# Allegro board T736_DEMO_DBOARD_V0-5-draft.brd (continued)
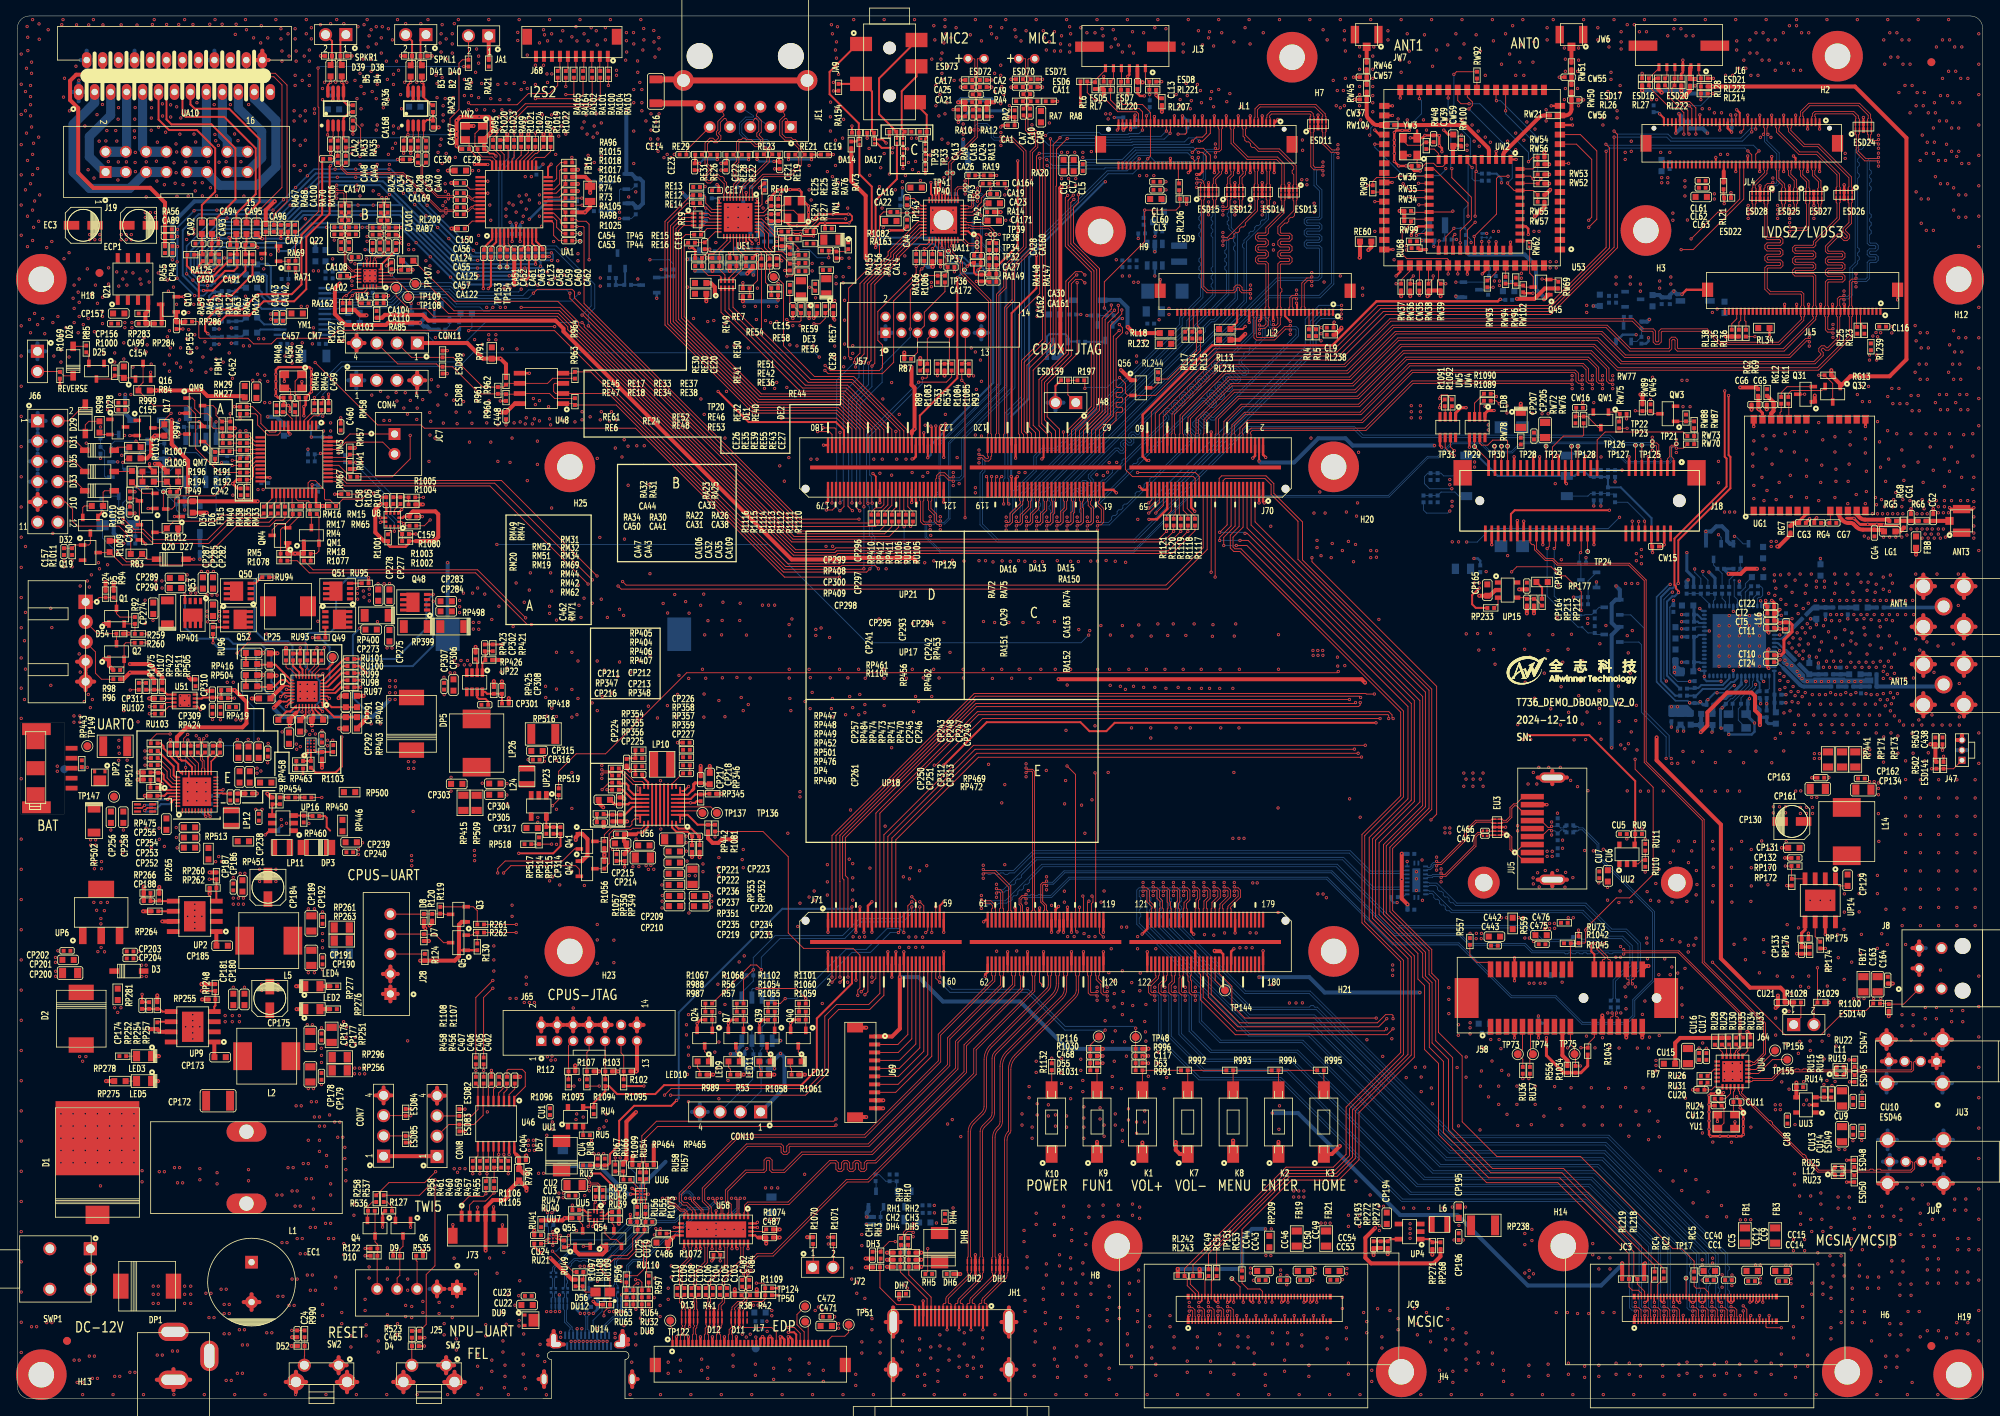
[diagram p0: board, top side]
## Routing (per net, layer and track width the routed paths; a pad name or vN(x,y) marks a point on that pad's centre or on a via; arc(x,y) is an arc through that point) (continued)
AUDIO-PWR-EN: length 262.7
  TOP w0.114: v1(71.63,142.75) 71.63,147.19 71.25,147.57 70.23,147.57 70,147.8 RA98.1 ; RP286.2 22.62,135 22.73,134.89 22.73,133.02 22.85,132.91 28.89,132.91 29.59,132.21 31.81,132.21 32.51,132.91 39.15,132.91 40.16,133.91 54.94,133.91 55.4,134.37 v1(67.31,134.37) ; J70.27 v1(149.55,103.58)
  L3 w0.114: v1(210.13,103.99) 209.73,103.58 197.81,103.58 197.57,103.35 190.52,103.35 189.87,102.69 183.79,102.69 183.39,103.09 170.51,103.09 170.02,103.58 v1(149.55,103.58) 149.38,103.4 v1(79.25,103.4) ; v1(79.25,142.75) v1(71.63,142.75)
  L4 w0.114: v1(79.25,142.75) 79.53,142.46 79.53,110.62 79.25,110.34 v1(79.25,103.4) ; v1(67.31,134.37) 69.6,134.37 69.85,134.62 69.85,136.14 71.12,137.41 71.12,140.46 71.63,140.97 v1(71.63,142.75)
  BOTTOM w0.114: v1(210.13,103.99) 210.13,103.56 210.89,102.8 RT17.2 ; R81.1 82.17,142.24 81.66,142.75 v1(79.25,142.75)
AUTH-INT: length 270.9
  TOP w0.114: v1(105.28,50.55) 105.28,51.21 105.55,51.48 J71.18 105.55,55.58 104.69,56.44 98.5,56.44 96.57,58.37 96.57,67.92 93.4,71.09 R1081.1 v1(87.4,70.4) ; R1096.1 v1(69.72,39.17) ; R1075.1 14.18,88.86 v1(14.14,88.81) ; J73.3 v1(57.66,24)
  L3 w0.114: v1(82.42,115.37) 80.94,113.88 74.11,113.88 73.63,113.4 67.81,113.4 62.73,118.48 48.75,118.48 47.69,119.55 43.32,119.55 39.85,123.01 38.38,123.01 v1(38.25,123.14) 36.45,121.34 31.87,121.34 31.47,120.94 29.02,120.94 v1(28.63,121.34) 28.16,120.87 27.73,120.87 27.39,121.21 26.24,121.21 25.63,121.82 19.71,121.82 19.6,121.71 14.42,121.71 v1(13.44,120.73) ; v1(58.88,35.94) 58.93,35.99 60.83,35.99 64.02,39.17 v1(69.72,39.17) 70.61,39.17 71.28,38.51 99.52,38.51 104.29,43.28 104.29,48.77 105.36,49.83 105.36,50.47 v1(105.28,50.55)
  L4 w0.114: v1(58.88,35.94) 58.42,35.48 58.42,27.48 57.66,26.72 v1(57.66,24) ; v1(14.14,88.81) 11.93,91.01 11.93,93.04 10.38,94.59 10.38,102.48 12.92,105.02 12.92,108.35 13.62,109.05 13.62,118.28 13.44,118.47 v1(13.44,120.73) ; v1(82.42,115.37) 87.4,110.39 v1(87.4,70.4)
  BOTTOM w0.114: R1098.1 37.21,123.52 37.59,123.14 v1(38.25,123.14) ; v1(28.63,121.34) 28.94,121.03 R158.1
AUX-IN-DSP-L: length 2.1
  TOP w0.254: CA61.2 60.5,144.03 60.49,144.7 60.49,145.13 60.49,146.09 UA1.3
AUX-IN-DSP-R: length 2.2
  TOP w0.254: CA63.2 60.99,144.36 60.99,144.75 60.99,145.28 60.99,146.09 UA1.4
AVD33BAK: length 3.4
  TOP w0.508: UG1.22 219.72,123.5 220.01,123.79 CG5.2 220.01,124.88 RG9.2
AVD33DC: length 22
  TOP w0.381: RG4.2 225.11,110.1 v1(225.41,110.4) ; v1(218.17,123.99) 218.62,123.54 UG1.23
  TOP w0.508: v1(218.17,123.99) 218.1,124.06 CG6.2 218.1,125.64 RG2.2
  L4 w0.508: v1(225.41,110.4) 225.41,111.95 225.04,112.31 225.04,119 223.23,120.82 223.23,121.45 221.48,123.19 218.97,123.19 v1(218.17,123.99)
AVDUSB: length 3.1
  TOP w0.381: UG1.7 224.12,110.89 223.21,109.97 CG3.2
  TOP w0.508: RG7.2 222.5,109.76 CG3.2
AXP515-IRQ: length 2.5
  TOP w0.114: UP18.29 v1(21.08,79.11)
  BOTTOM w0.114: v1(21.08,79.11) 21.08,80.78 RP455.1
AXP515-PWROK: length 4.5
  TOP w0.254: UP18.31 19.84,77.87 19.58,78.13 19.58,79.24 17.64,81.18 RP448.1
AXP515-PWRON: length 5.5
  TOP w0.254: UP18.30 20.46,78.46 20.15,78.77 20.15,79.54 19.16,80.53 CP257.2 18.85,80.98 18.31,81.52 18.31,81.79 17.96,82.14 RP447.1
AXP515-SCK: length 4.2
  TOP w0.114: UP18.32 19.68,77.47 19.17,77.98 19.17,78.83 17.71,80.29 RP449.1
AXP515-SDA: length 4
  TOP w0.114: UP18.33 19.5,77.07 18.76,77.81 18.76,78.63 17.98,79.4 RP452.1
AXP519-IRQ: length 2.1
  TOP w0.114: UP21.13 36.12,91.38 36.32,91.58 RU106.1
AXP519-SCK: length 2.3
  TOP w0.114: UP21.12 36.52,91.13 37.21,91.82 RU104.1
AXP519-SDA: length 2.5
  TOP w0.114: UP21.11 36.92,91.04 37.72,91.83 37.72,92.16 RU105.1
AXP2601-IRQ: length 0.9
  TOP w0.114: RU107.2 R1075.2
AXP2601-SCL: length 1.7
  TOP w0.114: RU102.1 18.59,87.25 U51.7
AXP2601-SDA: length 1.9
  TOP w0.114: RU103.1 18.98,86.75 U51.8
B1: length 20.7
  BOTTOM w0.114: CON10.3 92.11,40.02 ESD87.2 92.12,41.36 R453.1 92.21,42.36 R452.2 92.21,43.65 92.02,43.84 U47.7 92.02,46.61 89.56,49.07 89.56,51.27 R449.1
B2: length 27.8
  TOP w0.114: CON11.3 47.65,129.69 52.5,129.69 52.87,129.33 ESD88.2 54.52,129.33 57.9,125.94 R961.2 61.17,125.94 R960.1 62.88,125.9 U48.7 66.67,125.98 67.31,125.35 69.81,125.35 R963.1
BATDRV: length 23.9
  TOP w0.203: v1(33.63,87.97) 33.71,88.05 UP21.22
  TOP w0.254: Q53.4 v1(21,100.74)
  BOTTOM w0.254: v1(33.63,87.97) 33.63,88.04 31.83,89.84 31.83,93.27 30.48,94.61 27.05,94.61 26.42,95.25 22.43,95.25 21,96.68 v1(21,100.74)
BATT-12V: length 20.1
  BOTTOM w0.508: J66.1 3.52,131.28 ; J66.1 2.52,130.27 ; J66.1 2.52,132.28 ; J66.1 1.51,131.28 ; 2.54,119.01 J10.3 ; J10.3 1.54,120.02 ; J10.3 2.54,121.02 ; J10.3 3.54,120.02 ; 2.54,121.55 2.54,122.56 ; 2.54,122.56 2.54,123.56 ; 2.54,122.56 3.54,122.56 ; 2.54,122.56 1.54,122.56 ; 1.54,114.94 J10.7 ; J10.7 2.54,113.93 ; J10.7 2.54,115.94 ; J10.7 3.54,114.94 ; 2.54,116.47 J10.5 ; J10.5 2.54,118.48 ; J10.5 1.54,117.47 ; J10.5 3.54,117.47
  vias: v1(17.02,14.1) v1(17.02,13.08) v1(17.02,11.94) v1(17.65,14.1) v1(17.65,13.08) v1(17.65,11.94) v1(20.95,14.1) v1(20.95,13.08) v1(20.95,11.94) v1(21.72,14.1) v1(21.72,13.08) v1(21.72,11.94)
BICK2: length 2.6
  TOP w0.114: R1021.2 63.12,156.24 63.11,155.86 62.48,155.24 62.48,155 UA1.30
BICK3: length 2.7
  TOP w0.114: R1024.2 64.01,156.52 64,156.18 62.99,155.2 62.99,154.6 UA1.29
BOOST-5V-EN: length 1.2
  TOP w0.254: RP463.2 R1103.2
BOOST-5V-EN-1: length 1.1
  TOP w0.254: RP463.1 33.95,75.35 RP454.2
BRAKE-DET: length 13.9
  TOP w0.114: R83.2 14.2,107.9 12.74,109.36 7.52,109.36 6.92,109.96 6.92,111.49 6.02,112.39 J10.10
BSSET: length 2.1
  TOP w0.254: RP411.2 35.43,91.7 35.72,91.41 UP21.14
BST1: length 2.1
  TOP w0.203: UP21.31 37.32,86.35 37.67,86
  TOP w0.254: 37.67,86 38.3,85.37 CP294.2
BST2: length 2.9
  TOP w0.203: 34.57,86.51 34.81,86.76 UP21.25
  TOP w0.254: 34.57,86.51 34.19,86.13 33.73,86.13 CP295.2
BT-EN: length 8.9
  TOP w0.114: RW62.2 189.46,144.33 189.46,141.07 189.91,140.62 Q45.3 188.84,139.32 RW102.2 187.85,139.51 RW96.1 187.6,139.76 RW94.1
BT-PCM-CLK: length 97.7
  TOP w0.114: J70.84 130.55,121.52 129.01,123.06 129.01,127.18 132.77,130.94 v1(132.77,139.88) ; v1(179.71,154.18) 179.71,153.03 182.15,150.59 182.15,147.78 180.75,146.38 v1(180.75,144.88) UW2.26 ; U53.27 v1(179.24,163.02)
  L3 w0.114: v1(180.75,144.88) 180.75,144.88 179.61,144.88 177.43,147.06 169.18,147.06 167.5,145.38 163.59,145.38 161.91,147.06 156.3,147.06 150.81,141.57 137.27,141.57 136.04,140.34 133.22,140.34 v1(132.77,139.88)
  BOTTOM w0.114: v1(179.71,154.18) 179.58,154.31 179.58,161.04 179.24,161.37 v1(179.24,163.02)
BT-PCM-DIN: length 111.2
  TOP w0.114: U53.13 195.81,158.43 197.87,156.38 197.87,147.83 v1(196.85,146.81) ; v1(180.09,145.92) 179.85,145.69 UW2.25 ; v1(133.73,140.84) 133.32,141.26 132.54,141.26 131.35,140.06 131.35,131.09 127.98,127.73 127.98,121.93 129.05,120.86 J70.90
  L3 w0.114: v1(133.73,140.84) 134.83,141.95 150.65,141.95 156.11,147.4 162.05,147.4 163.73,145.72 167.36,145.72 169.04,147.4 177.84,147.4 179.32,145.92 v1(180.09,145.92) 180.97,146.81 185.29,146.81 185.32,146.84 185.77,146.84 185.8,146.81 v1(196.85,146.81)
BT-PCM-DOUT: length 108.8
  TOP w0.114: U53.12 195.32,157.23 197.23,155.32 197.23,148.08 v1(196.85,147.7) ; UW2.27 181.65,146.47 v1(182.63,147.45) ; J70.88 129.55,120.97 128.33,122.19 128.33,127.59 131.69,130.95 131.69,139.87 132.66,140.84 v1(132.72,140.84)
  L3 w0.114: v1(132.72,140.84) 134.17,142.3 150.51,142.3 155.95,147.75 162.19,147.75 163.88,146.06 167.21,146.06 168.9,147.75 179.2,147.75 179.5,147.45 v1(182.63,147.45) 196.6,147.45 v1(196.85,147.7)
BT-PCM-SYNC: length 98.7
  TOP w0.114: v1(186.74,153.21) 185.57,153.21 185.29,152.93 185.29,148.46 v1(182.5,145.67) 182.55,145.62 UW2.28 ; U53.10 v1(194.34,154.83) ; J70.86 130.05,121.31 128.67,122.69 128.67,127.37 132.04,130.73 132.04,139.73 132.59,140.29 133.29,140.29 v1(133.73,139.85)
  L3 w0.114: v1(186.74,153.21) 188.14,153.21 189.13,154.2 193.7,154.2 v1(194.34,154.83) ; v1(182.5,145.67) 182.25,145.67 181.04,144.47 179.51,144.47 177.26,146.72 169.32,146.72 167.64,145.03 163.45,145.03 163.14,145.34 155.07,145.34 150.95,141.22 137.41,141.22 136.04,139.85 v1(133.73,139.85)
BT-RESETN: length 148.9
  TOP w0.114: v1(191.01,140.34) 191.07,140.27 Q45.2 192.77,140.27 RW69.1 ; v1(170,88.31) 168.99,88.31 168.92,88.39 119.87,88.39 102.05,70.57 J71.3
  L4 w0.114: v1(170,88.31) 170.11,88.31 175.61,93.82 175.61,120.67 178.09,123.14 178.09,123.53 178.59,124.03 178.59,127.92 v1(191.01,140.34)
BT-UART-CTS: length 116.5
  TOP w0.114: v1(189.31,155.04) 189.84,155.57 RW54.1 RW56.2 189.88,154.13 UW2.44 ; v1(131.57,150.83) 131.28,150.54 131.28,144.46 134.53,141.21 134.53,124.35 131.55,121.37 J70.80 ; v1(181.86,162.31) 180.85,162.31 180.44,162.71 U53.26
  L3 w0.114: v1(189.31,155.04) 187.93,153.67 183.59,153.67 182.32,154.94 175.64,154.94 174.8,154.1 172.42,154.1 171.7,154.81 169.22,154.81 166.03,158 164.17,158 161.28,155.11 145.51,155.11 145.14,154.74 139.35,154.74 136.27,151.66 132.6,151.66 132.43,151.48 132.23,151.48 v1(131.57,150.83)
  BOTTOM w0.114: v1(181.86,162.31) 183.21,162.31 189.31,156.21 v1(189.31,155.04)
BT-UART-RTS: length 114
  TOP w0.114: v1(132.28,150.85) 131.63,150.2 131.63,144.6 134.87,141.36 134.87,124.21 132.05,121.39 J70.78 ; v1(181.84,161.65) 182.28,162.08 182.28,162.53 181.64,163.16 U53.25 ; v1(186.69,152.37) 186.69,152.25 187.51,151.43 UW2.41 189.93,151.43 RW55.1 RW57.2
  L3 w0.114: v1(132.28,150.85) 132.57,151.14 132.57,151.14 132.75,151.31 136.13,151.31 136.41,151.31 139.49,154.39 145.85,154.39 146.23,154.77 161.42,154.77 164.31,157.66 165.89,157.66 169.16,154.39 171.6,154.39 172.27,153.72 174.93,153.72 175.56,154.36 176.28,154.36 176.91,153.72 179.32,153.72 180.15,152.9 186.17,152.9 v1(186.69,152.37)
  BOTTOM w0.114: v1(181.84,161.65) 187.27,156.22 187.27,152.96 v1(186.69,152.37)
BT-UART-RX: length 110.5
  TOP w0.114: v1(132.36,150.32) 131.97,149.93 131.97,144.74 135.22,141.5 135.22,124.07 132.55,121.4 J70.76 ; v1(186.44,161.42) 186.44,161.43 U53.21 ; RW53.1 v1(189.89,152.88) 189.54,153.23 UW2.43
  L3 w0.114: v1(189.89,152.88) 188.53,151.51 180.31,151.51 178.89,152.93 172.09,152.93 171.32,153.7 165.7,153.7 163.96,155.45 163.07,155.45 161.7,154.08 146.51,154.08 146.14,153.71 139.89,153.71 136.73,150.55 133.4,150.55 133.17,150.32 v1(132.36,150.32)
  BOTTOM w0.114: v1(186.44,161.42) 186.44,161.04 189.89,157.58 v1(189.89,152.88)
BT-UART-TX: length 113.2
  TOP w0.114: J70.74 133.05,121.35 135.56,123.86 135.56,141.64 132.31,144.89 132.31,149.33 132.92,149.94 v1(132.92,150.9) ; U53.22 185.24,162.74 v1(185.29,162.69) ; v1(190.86,152.88) 190.86,152.7 RW52.1 190.42,152.33 UW2.42
  L3 w0.114: v1(132.92,150.9) 136.58,150.9 139.73,154.05 146,154.05 146.37,154.43 161.56,154.43 162.96,155.83 164.08,155.83 165.87,154.04 171.46,154.04 172.13,153.38 179.01,153.38 180.47,151.92 188.23,151.92 189.69,153.38 190.36,153.38 v1(190.86,152.88)
  BOTTOM w0.114: v1(190.86,152.88) 190.46,153.28 190.46,158.03 185.8,162.69 v1(185.29,162.69)
BT-WAKE-AP: length 174.9
  TOP w0.114: J71.7 103.05,64.82 103.04,64.84 103.04,70.59 120.08,87.63 v1(166.88,87.63) ; v1(182.25,154.31) 181.65,154.9 UW2.7 ; U53.37 v1(170.05,157.23)
  L3 w0.114: v1(178.94,154.18) 179.36,154.59 181.36,154.59 181.65,154.31 v1(182.25,154.31)
  L4 w0.114: v1(170.05,157.23) 168.71,155.89 168.71,148.23 170.47,146.48 170.47,138.5 171.74,137.22 171.74,95.25 166.88,90.38 v1(166.88,87.63)
  BOTTOM w0.114: RW44.1 182.5,152.65 182.25,152.91 v1(182.25,154.31) ; v1(178.94,154.18) 178.94,154.05 178.18,153.29 173.48,153.29 173.23,153.54 173.23,153.67 170.05,156.84 v1(170.05,157.23)
BUSJ: length 1.8
  TOP w0.114: UU4.18 213.62,43.4 RU28.2
CAD: length 3.6
  TOP w0.114: R1018.1 R1017.2 67.51,151.09 UA1.20
CC1-AXP515: length 2.9
  TOP w0.114: RP473.2 21.72,80.61 22.68,79.64 UP18.25
CC1-C: length 148.2
  TOP w0.114: v1(73.84,16.59) 74.78,17.53 76.53,17.53 77.52,18.52 77.52,19.81 78.55,20.85 RU110.1 78.55,22.01 CU19.2 78.7,23.16 RU55.2 ; RP407.1 v1(73.86,76.33) ; RP473.1 21.72,82.18 v1(21.35,82.55)
  L3 w0.114: v1(73.86,76.33) 68.05,70.51 52.43,70.51 50.21,72.73 48.69,72.73 41.27,80.14 34.05,80.14 30.52,83.67 22.17,83.67 21.79,83.29 21.79,82.99 v1(21.35,82.55)
  L4 w0.114: v1(73.84,16.59) 73.79,16.64 73.79,17.88 75.44,19.53 77.42,19.53 78.59,20.7 78.59,25.81 79.09,26.31 79.09,34.31 80.14,35.36 80.14,42.91 80.77,43.54 80.77,60.71 74.17,67.31 74.17,68.66 74.15,68.68 74.15,69.02 74.17,69.04 74.17,70.13 74.15,70.15 74.15,70.49 74.17,70.51 74.17,76.02 v1(73.86,76.33)
  BOTTOM w0.114: JU2.A5 72.13,9.82 73.25,10.95 73.25,11.63 73.58,11.96 DU13.2 73.58,16.32 v1(73.84,16.59)
CC2-AXP515: length 3.1
  TOP w0.114: UP18.26 22.28,79.35 20.83,80.8 RP474.2
CC2-C: length 152
  TOP w0.114: RP406.1 74.13,77.22 v1(73.25,76.34) ; RU56.2 77.64,23.16 CU25.2 77.71,22.08 RU110.2 77.71,20.66 77.09,20.04 77.09,18.67 76.38,17.96 74.45,17.96 v1(73.08,16.59) 73.08,16.21 74.23,15.05 D56.2 74.24,13.35 DU12.2 74.24,11.45 74.12,11.33 73.94,11.33 73.48,10.87 v1(73.48,10.39) ; v1(21.34,83.25) 20.83,82.74 RP474.1
  L3 w0.114: v1(21.34,83.25) 21.45,83.36 21.45,83.43 22.03,84.01 24.73,84.01 30.66,84.01 33.64,81.03 34.77,81.03 34.82,80.98 35.16,80.98 35.2,81.03 40.92,81.03 48.87,73.07 50.4,73.07 52.07,71.4 68.31,71.4 v1(73.25,76.34)
  L4 w0.114: v1(73.08,16.59) 73.08,17.93 75.13,19.99 77.29,19.99 77.7,20.4 77.7,25.65 78.61,26.57 78.61,34.9 79.41,35.69 79.41,42.67 80.43,43.69 80.43,59.84 72.98,67.29 72.98,76.07 v1(73.25,76.34) ; v1(70.88,7.18) 70.88,7.55 71.25,7.92 71.25,8.64 73,10.39 v1(73.48,10.39)
  BOTTOM w0.112: v1(70.88,7.18) JU2.B5
CC-INT: length 2
  TOP w0.114: RU59.2 75.93,28.45 RU54.2 R1099.2
CC-SCK: length 192
  TOP w0.114: RU58.2 77.98,29.2 RP464.2 78.23,29.62 78.23,32.94 80.06,34.77 102.28,34.77 v1(102.56,35.05) ; RP449.2 v1(15.99,80.29) ; RU104.2 37.21,93.8 v1(37.54,94.13) ; RU102.2 v1(16.54,86.74) ; J71.4 v1(102.05,52.83)
  L3 w0.114: v1(16.54,86.74) 17.41,87.61 17.41,88.55 21.31,92.46 35.56,92.46 37.24,94.13 v1(37.54,94.13) 37.95,94.55 43.54,94.55 44.41,93.67 51.69,93.67 52.43,94.41 56.52,94.41 57.09,94.98 97.57,94.98 99.01,96.42 v1(100.03,96.42)
  L4 w0.114: v1(100.03,96.42) 101.03,95.41 101.03,53.85 v1(102.05,52.83) 102.56,52.33 v1(102.56,35.05) ; v1(16.54,86.74) 16.06,86.26 16.06,82.37 16.39,82.04 16.39,80.69 v1(15.99,80.29)
CC-SDA: length 192.3
  TOP w0.114: RP452.2 v1(15.99,79.4) ; J71.6 102.55,52.7 v1(102.05,52.2) ; v1(102.56,34.29) 102.37,34.1 80.21,34.1 78.61,32.51 78.61,29.55 RP465.2 78.79,29.2 RU57.2 ; RU105.2 38.1,93.78 v1(38.46,94.13) ; RU103.2 v1(16.54,85.85)
  L3 w0.114: v1(16.54,85.85) 16.54,86.04 18.03,87.54 18.03,88.29 21.69,91.95 35.94,91.95 38.13,94.13 v1(38.46,94.13) 43.28,94.13 44.09,93.33 51.83,93.33 52.57,94.06 56.66,94.06 57.23,94.63 59.67,94.63 60.19,94.12 98.13,94.12 99.67,95.66 v1(100.03,95.66)
  L4 w0.114: v1(15.99,79.4) 16.87,80.28 16.87,82.45 16.54,82.78 v1(16.54,85.85) ; v1(100.03,95.66) 100.58,95.1 100.58,53.67 v1(102.05,52.2) 102.11,52.14 102.11,34.74 v1(102.56,34.29)
CHASIS-GND: length 19
  TOP w0.762: JE1.11 JE1.12 83.31,165.36 CE16.2
CLKOUT-125M: length 3.7
  TOP w0.114: RE7.2 94.82,146.28 93.24,147.86 UE1.35
CODEC0-AVDD: length 7.7
  TOP w0.381: RA87.2 v1(49.56,141.48)
  BOTTOM w0.254: v1(49.56,141.48) 47.65,143.38 44.54,143.38 43.9,144.02 v1(43.56,144.02)
  vias: v1(42.29,142.24) v1(43.89,138.53)
COMB0-LANE0-N: length 57.3
  TOP w0.102: J71.78 125.55,53.08 125.65,52.98 125.65,51.4 118.59,44.34 118.59,41 107.44,29.84 106.37,29.84 106.09,29.57 106.09,28.88 105.99,28.78 105.79,28.78 105.69,28.88 105.69,29.57 105.41,29.84 104.95,29.84 104.67,29.57 104.67,28.88 104.57,28.78 104.37,28.78 104.26,28.88 104.26,29.57 103.98,29.84 103.53,29.84 103.25,29.57 103.25,28.88 103.15,28.78 102.94,28.78 102.84,28.88 102.84,29.57 102.56,29.84 101.75,29.84 96.55,24.64 91.49,24.64 91.11,24.26 91.11,23.42 91.03,23.34 U58.2
COMB0-LANE0-N-C: length 21.4
  TOP w0.112: U58.4 90.03,23.1 90.16,23.23 90.16,24.96 v1(90,25.12)
  BOTTOM w0.112: v1(90,25.12) 90.17,24.95 90.17,23.98 88.98,22.78 84.53,22.78 82.04,20.29 81.2,20.29 78.37,17.46 77.1,17.46 76.34,16.7 76.34,16.01 C489.1
COMB0-LANE0-N-C-1: length 1.6
  BOTTOM w0.112: C489.2 76.33,15.08 76.33,14.04 RU17.2
COMB0-LANE0-P: length 57.3
  TOP w0.102: U58.1 91.53,23.33 91.41,23.44 91.41,24.13 91.62,24.33 96.67,24.33 101.88,29.54 102.44,29.54 102.54,29.44 102.54,28.75 102.82,28.47 103.27,28.47 103.55,28.75 103.55,29.44 103.65,29.54 103.86,29.54 103.96,29.44 103.96,28.75 104.24,28.47 104.7,28.47 104.98,28.75 104.98,29.44 105.08,29.54 105.28,29.54 105.38,29.44 105.38,28.75 105.66,28.47 106.12,28.47 106.4,28.75 106.4,29.44 106.5,29.54 107.57,29.54 118.9,40.87 118.9,44.22 125.96,51.28 125.96,52.98 126.05,53.08 J71.80
COMB0-LANE0-P-C: length 21.4
  TOP w0.112: U58.3 90.53,23.09 90.4,23.22 90.4,24.96 v1(90.56,25.12)
  BOTTOM w0.112: v1(90.56,25.12) 90.41,24.97 90.41,23.88 89.08,22.55 84.63,22.55 82.13,20.05 81.3,20.05 78.47,17.22 77.2,17.22 76.58,16.6 76.58,16 C488.1
COMB0-LANE0-P-C-1: length 1.6
  BOTTOM w0.112: RU46.2 76.57,14.04 76.57,15.08 C488.2
COMB0-LANE1-N: length 57.3
  TOP w0.102: U58.6 89.03,23.27 89.13,23.37 89.13,24.23 88.7,24.66 88.7,26.14 91.21,28.65 93.44,28.65 93.54,28.75 93.54,29.9 93.82,30.18 94.28,30.18 94.56,29.9 94.56,28.75 94.66,28.65 95.99,28.65 98.25,30.91 107,30.91 117.53,41.44 117.53,44.79 124.65,51.91 124.65,52.98 124.55,53.08 J71.74
COMB0-LANE1-N-C: length 22.2
  TOP w0.112: v1(87.11,25.1) 87.31,24.91 87.31,24.65 88.15,23.8 88.15,23.18 88.03,23.06 U58.8
  BOTTOM w0.112: RU43.2 74.63,14.16 74.81,14.35 74.81,17.31 79.81,22.3 82.34,22.3 83.96,23.93 86.49,23.93 87.27,24.71 87.27,24.94 v1(87.11,25.1)
COMB0-LANE1-P: length 57.3
  TOP w0.102: J71.76 125.05,53.08 124.96,52.98 124.96,51.78 117.83,44.66 117.83,41.31 107.13,30.61 98.37,30.61 96.11,28.35 94.53,28.35 94.25,28.63 94.25,29.77 94.15,29.87 93.95,29.87 93.84,29.77 93.84,28.63 93.56,28.35 91.34,28.35 89,26.01 89,24.79 89.43,24.36 89.43,23.37 89.53,23.27 U58.5
COMB0-LANE1-P-C: length 22.2
  TOP w0.112: v1(87.67,25.1) 87.55,24.98 87.55,24.74 88.39,23.9 88.39,23.22 88.53,23.08 U58.7
  BOTTOM w0.112: v1(87.67,25.1) 87.51,24.94 87.51,24.62 86.59,23.69 84.06,23.69 82.44,22.06 79.91,22.06 75.05,17.21 75.05,14.35 75.23,14.16 RU45.2
COMB0-LANE2-N: length 58
  TOP w0.102: U58.11 86.53,23.28 86.63,23.38 86.63,23.89 85.8,24.71 85.8,26.39 91.34,31.93 95.7,31.93 95.98,31.65 95.98,31.01 96.08,30.91 96.28,30.91 96.39,31.01 96.39,31.65 96.67,31.93 106.58,31.93 116.51,41.86 116.51,45.21 123.15,51.85 123.15,52.98 123.05,53.08 J71.68
COMB0-LANE2-N-C: length 26.9
  TOP w0.112: U58.13 85.53,23.07 85.66,23.2 85.66,23.55 84.46,24.75 84.46,24.91 v1(84.25,25.12)
  BOTTOM w0.112: v1(84.25,25.12) 84.41,25.28 84.41,25.49 84.12,25.78 83.6,25.78 83.21,25.39 83.21,24.27 81.84,22.9 79.55,22.9 73.99,17.34 73.56,17.34 73.44,17.21 73.1,17.21 72.97,17.34 72.64,17.34 72.51,17.21 72.18,17.21 72.05,17.34 71.71,17.34 71.59,17.21 71.25,17.21 71.13,17.34 70.79,17.34 70.66,17.21 70.33,17.21 70.2,17.34 69.87,17.34 69.43,16.9 69.43,16.72 69.19,16.49 69.01,16.49 68.78,16.25 68.78,15.87 68.9,15.74 68.9,15.41 68.78,15.28 68.78,14.94 68.9,14.82 68.9,14.48 68.78,14.35 68.78,14.02 LU4.1
COMB0-LANE2-P: length 58
  TOP w0.102: U58.10 87.03,23.28 86.93,23.38 86.93,24.02 86.11,24.84 86.11,26.26 91.46,31.62 95.57,31.62 95.67,31.52 95.67,30.89 95.95,30.61 96.41,30.61 96.69,30.89 96.69,31.52 96.79,31.62 106.71,31.62 116.81,41.73 116.81,45.08 123.46,51.72 123.46,52.98 123.55,53.08 J71.70
COMB0-LANE2-P-C: length 26.9
  TOP w0.112: v1(84.81,25.12) 84.7,25.01 84.7,24.85 85.9,23.65 85.9,23.2 86.03,23.06 U58.12
  BOTTOM w0.112: LU4.2 68.54,14.02 68.54,16.35 69.77,17.58 73.89,17.58 79.45,23.14 81.74,23.14 82.97,24.37 82.97,25.49 83.5,26.02 84.22,26.02 84.65,25.59 84.65,25.28 v1(84.81,25.12)
COMB0-LANE3-N: length 58.2
  TOP w0.102: U58.15 84.53,23.26 84.6,23.33 84.6,23.48 83.82,24.26 83.39,24.26 82.91,24.74 82.91,25.76 90.22,33.07 106.11,33.07 115.37,42.33 115.37,45.68 122.15,52.46 122.15,52.98 122.05,53.08 J71.64
COMB0-LANE3-N-C: length 23
  TOP w0.112: U58.17 83.53,23.08 83.66,23.2 83.66,23.35 83.49,23.51 83.04,23.51 82.3,24.25 81.79,24.25 81.51,24.53 81.51,24.95 v1(81.35,25.11)
  BOTTOM w0.112: C229.1 67.04,15.98 67.04,16.44 69.06,18.47 73.53,18.47 79.43,24.36 81.15,24.36 81.51,24.71 81.51,24.95 v1(81.35,25.11)
COMB0-LANE3-N-C-1: length 1.6
  BOTTOM w0.112: C229.2 67.04,15.06 67.04,14.02 RU42.2
COMB0-LANE3-P: length 58.2
  TOP w0.102: J71.66 122.55,53.08 122.46,52.98 122.46,52.34 115.67,45.55 115.67,42.21 106.23,32.77 90.35,32.77 83.21,25.63 83.21,24.87 83.51,24.56 83.95,24.56 84.9,23.6 84.9,23.4 85.03,23.28 U58.14
COMB0-LANE3-P-C: length 23.8
  TOP w0.112: U58.16 84.03,23.08 83.9,23.22 83.9,23.45 83.59,23.75 83.13,23.75 82.4,24.49 81.89,24.49 81.75,24.63 81.75,24.95 v1(81.91,25.11)
  BOTTOM w0.112: C228.1 67.28,15.98 67.28,16.34 67.51,16.58 67.69,16.58 67.93,16.82 67.93,17 68.17,17.23 68.35,17.23 68.58,17.47 68.58,17.65 69.16,18.23 69.5,18.23 69.62,18.1 69.96,18.1 70.09,18.23 70.42,18.23 70.55,18.1 70.88,18.1 71.01,18.23 71.35,18.23 71.47,18.1 71.81,18.1 71.94,18.23 72.27,18.23 72.4,18.1 72.74,18.1 72.86,18.23 73.63,18.23 73.87,18.46 74.05,18.46 74.29,18.7 74.29,18.88 74.52,19.12 74.7,19.12 74.94,19.36 74.94,19.53 79.52,24.12 81.25,24.12 81.75,24.62 81.75,24.95 v1(81.91,25.11)
COMB0-LANE3-P-C-1: length 1.6
  BOTTOM w0.112: C228.2 67.28,15.06 67.28,14.02 LU7.1
COMP1: length 5
  TOP w0.203: 33.78,89.94 34.07,89.65 UP21.18
  TOP w0.254: 33.78,89.94 33.65,90.07 33.02,90.07 32.16,89.2 CP297.1 30.12,89.2 RP409.2
COMP2: length 5.2
  TOP w0.203: 33.88,90.45 34.28,90.05 UP21.17
  TOP w0.254: 33.88,90.45 32.33,92 CP296.1 30.12,92 RP408.2
CPUS-JTAG-TDI: length 5.1
  TOP w0.114: R1096.2 69.04,40.08 R112.1 69.04,44.26 J65.5
CPUS-JTAG-TMS: length 4.9
  TOP w0.114: J65.7 71.63,43.69 71.35,43.41 R107.1 71.35,40.07 R1093.2
CPUS-RX: length 130.7
  TOP w0.114: R1078.2 35.05,105.03 36.58,103.5 57.4,103.5 63.88,97.03 v1(64.39,97.03) ; J71.10 103.55,52.7 v1(103.05,52.2) ; v1(62.48,58.42) R262.2
  L3 w0.114: v1(62.48,50.16) 62.61,50.29 94.11,50.29 94.61,50.8 102.11,50.8 103,51.69 103,52.14 v1(103.05,52.2)
  L4 w0.114: v1(62.48,50.16) v1(62.48,58.42) 62.51,58.42 64.39,60.3 64.39,74.72 65.61,75.93 65.61,81.82 64.39,83.04 v1(64.39,97.03)